# Altium PCB F4AIR.PcbDoc
Units mil, origin at the board's own origin, x right, y up, seen from the top; angles counter-clockwise.
Board outline 1941 x 2119 mil, 4 copper layers (Top Layer, Singal, Power, Bottom Layer), stack 23.756 mil thick; 69 components, 70 nets, 265 pads, 195 vias.
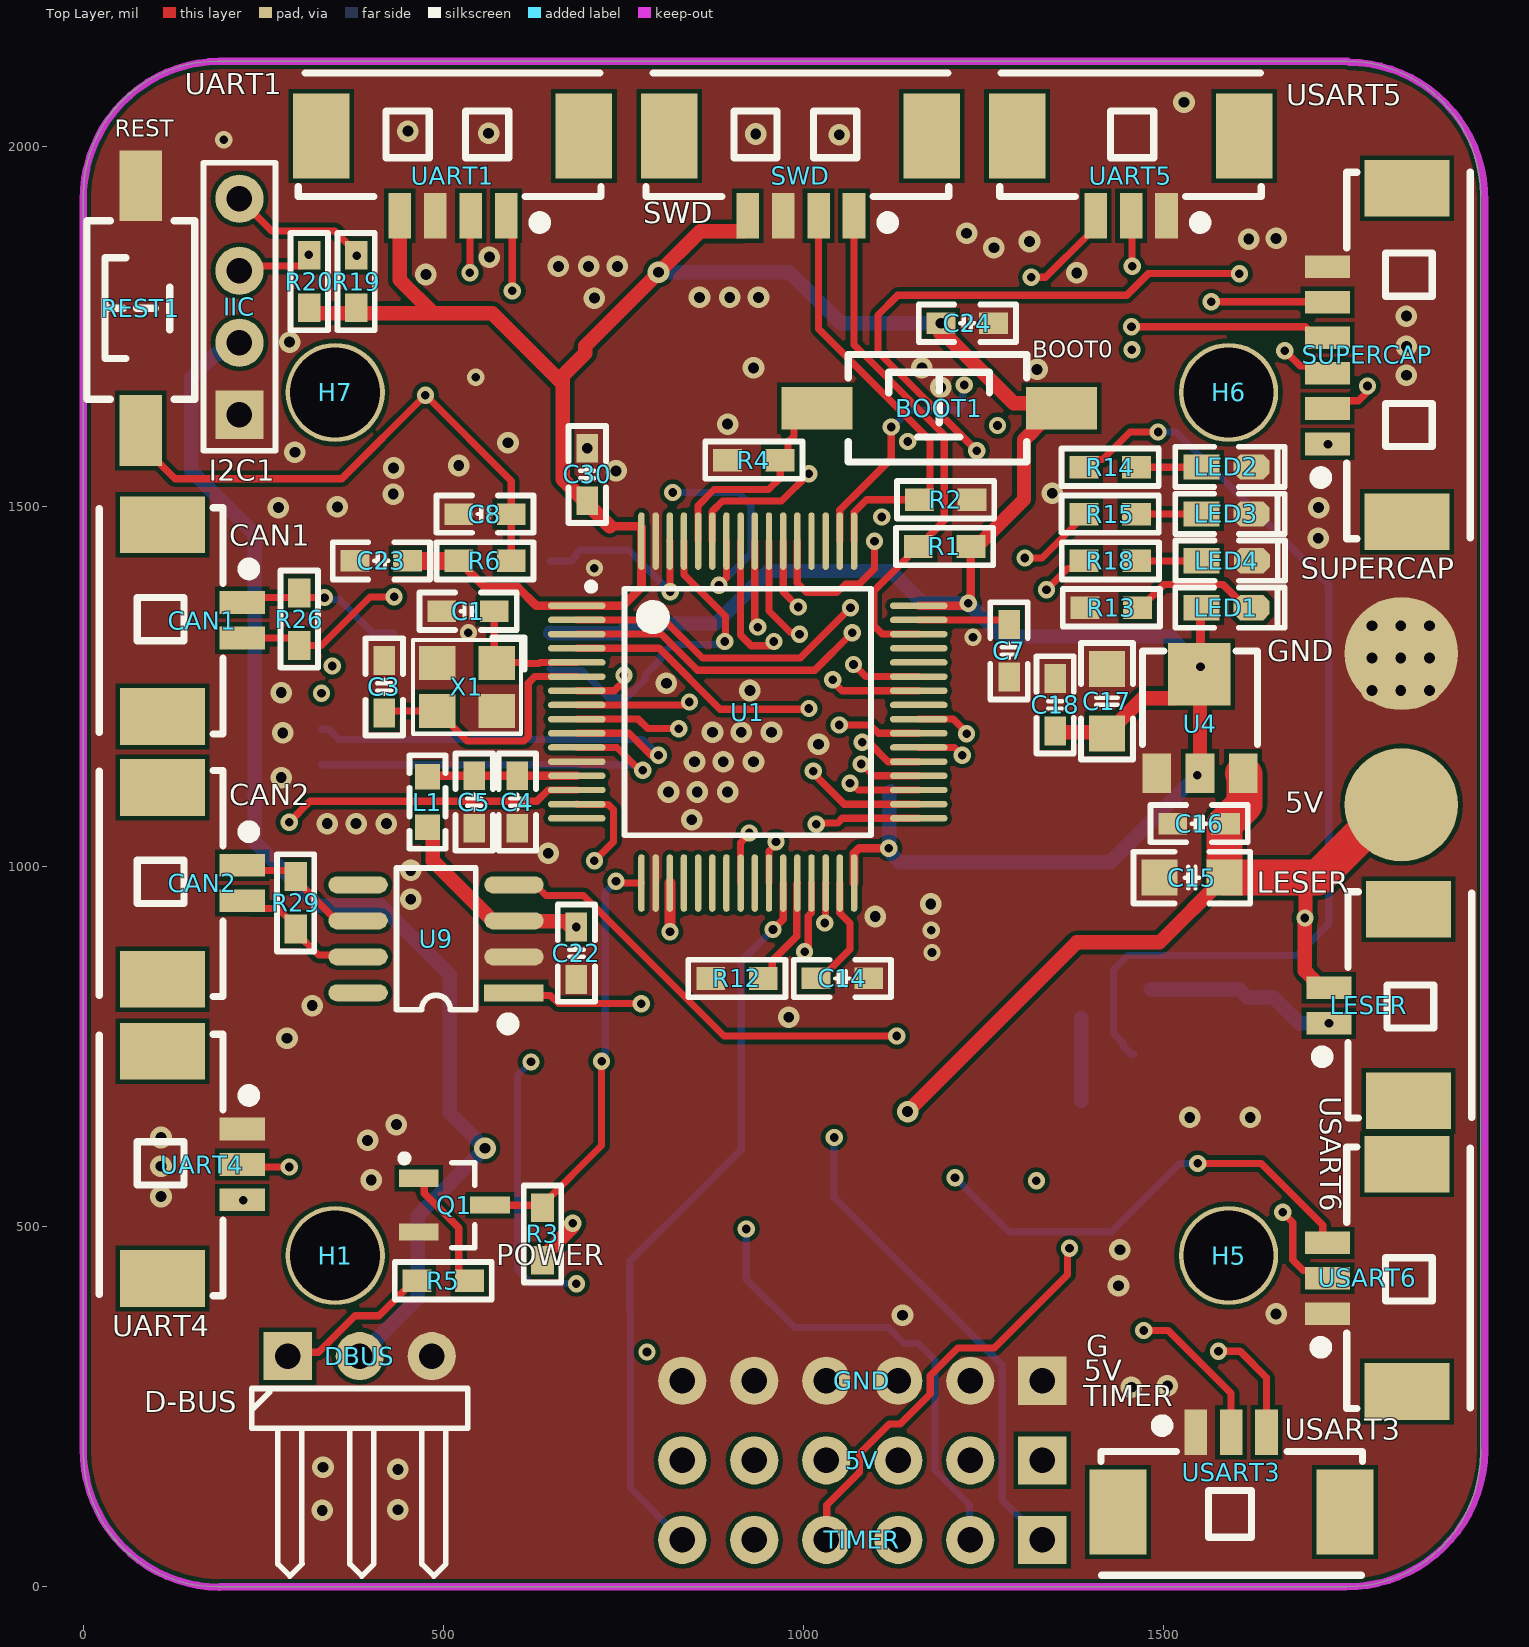
[diagram p0: Top Layer view]
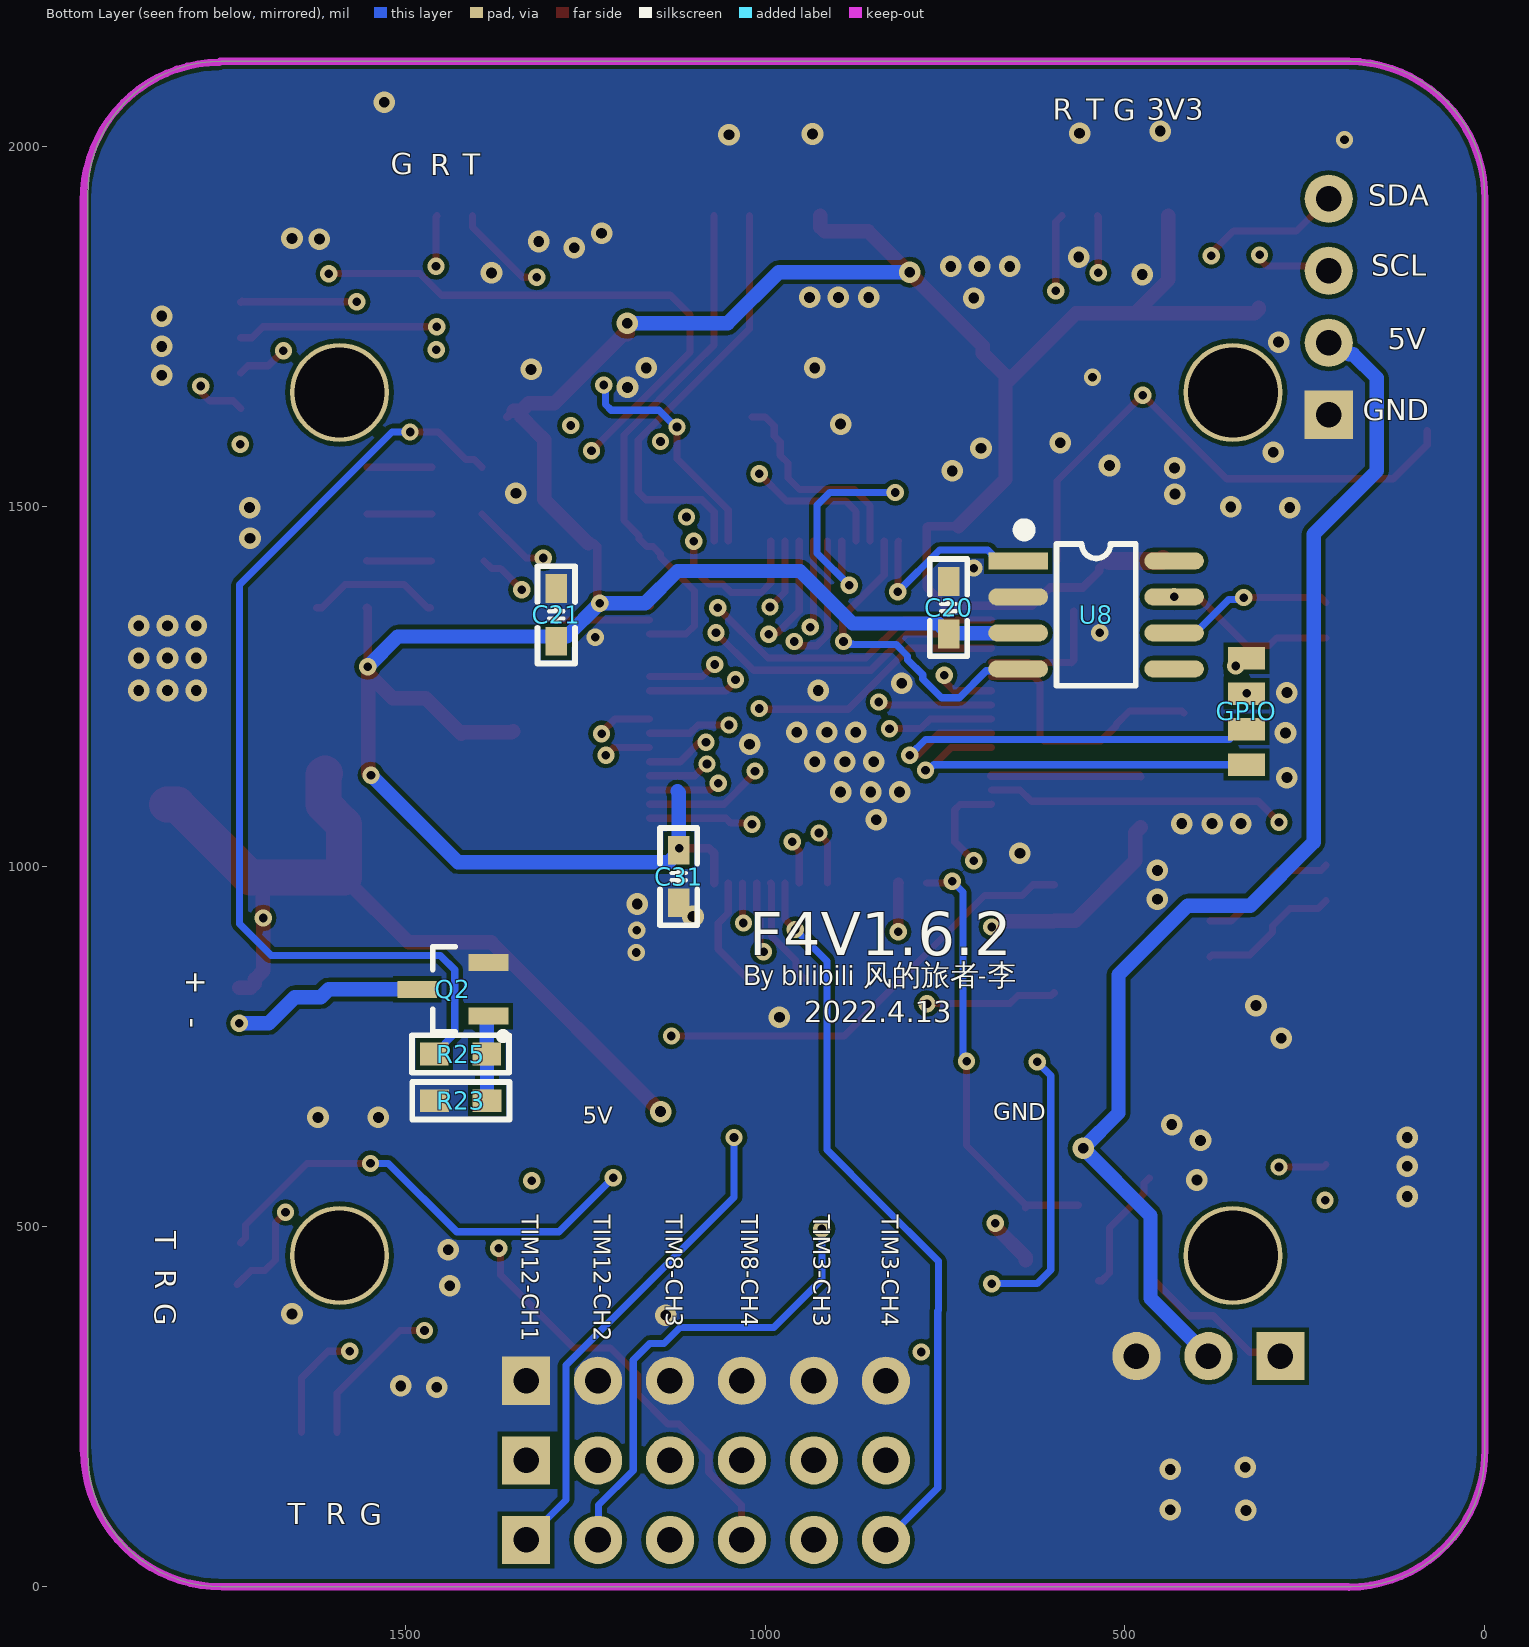
[diagram p1: Bottom Layer view, seen from below]
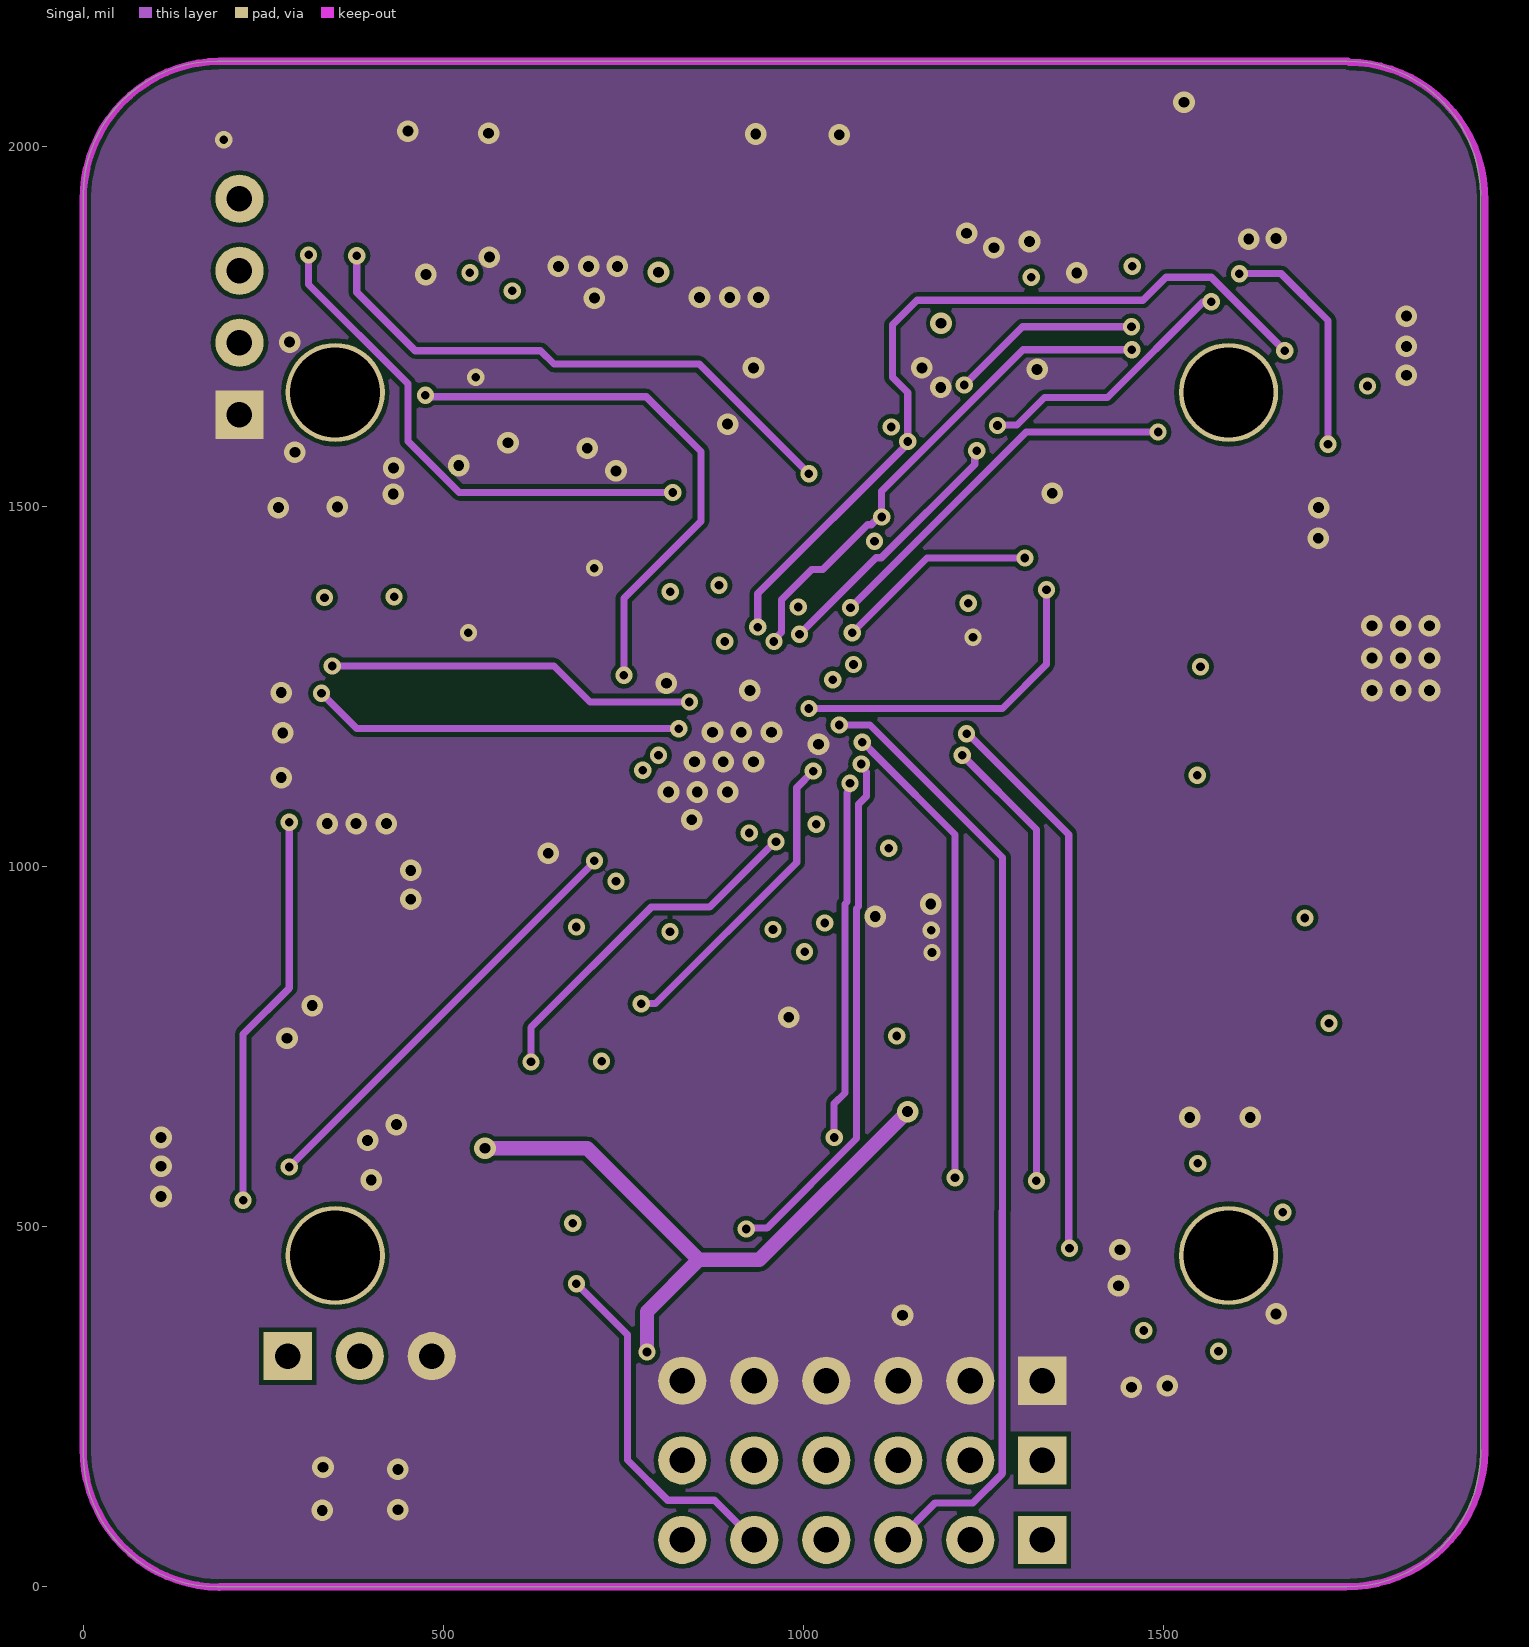
[diagram p2: Singal]
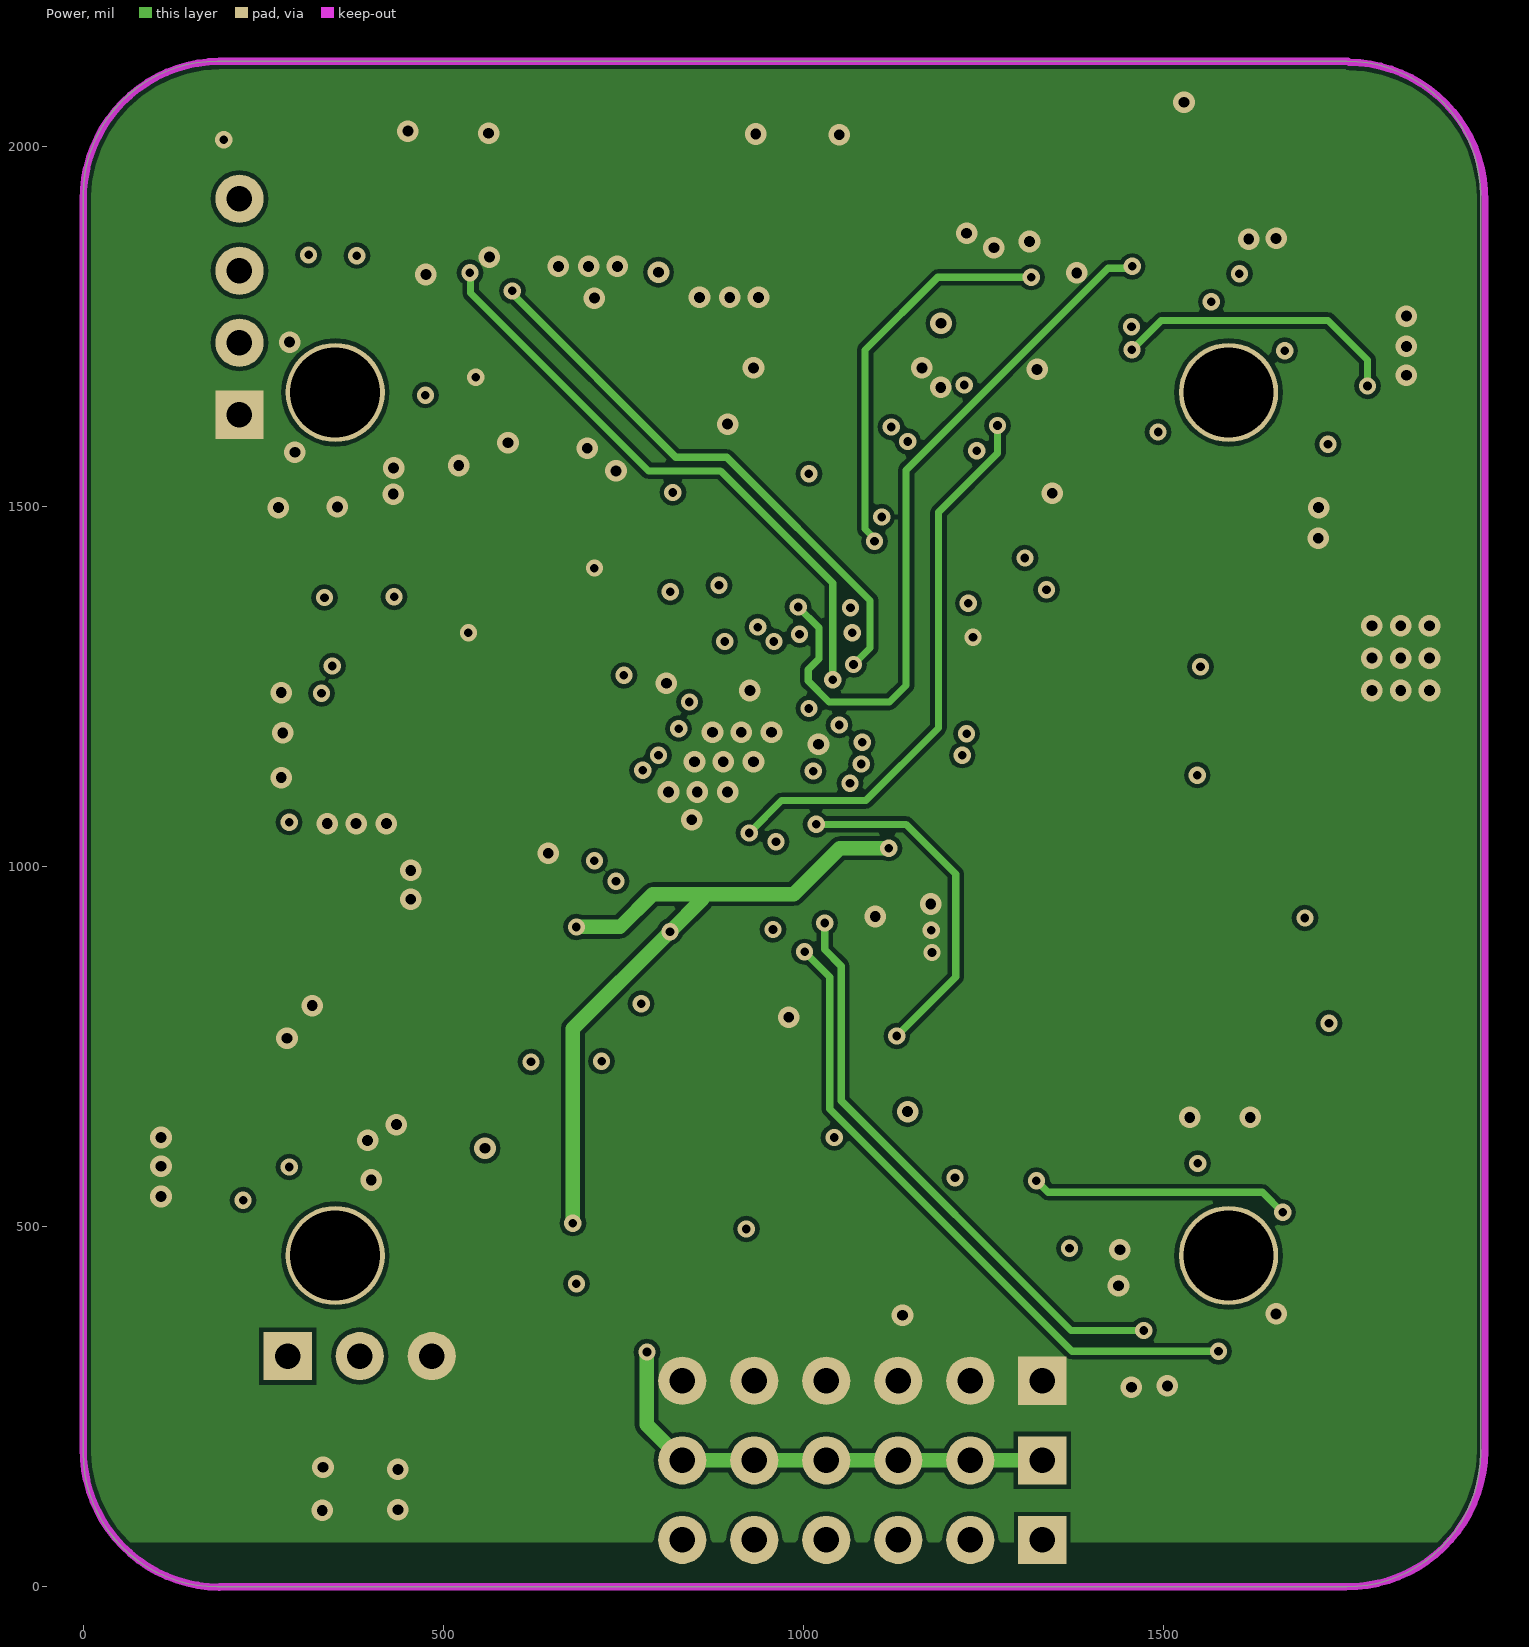
[diagram p3: Power]

## Layer stack, top to bottom
Top Solder: solder mask 0.4, Solder Resist, Dk 3.5
Top Layer: signal copper 1.4
Dielectric 2: prepreg 2.8, PP-006, Dk 4.1
Singal: signal copper 1.378
Dielectric 1: dielectric 12.6, FR-4, Dk 4.8
Power: signal copper 1.378
Dielectric 3: prepreg 2.8, PP-006, Dk 4.1
Bottom Layer: signal copper 1.4
Bottom Solder: solder mask 0.4, Solder Resist, Dk 3.5

## Board outline
0,186 0,1933 cw(c186,1933) 186,2119 1755,2119 cw(c1755,1933) 1941,1933 1941,186 cw(c1755,186) 1755,0 186,0 cw(c186,186)

## Design rules (kind name [scope] priority, off if disabled: settings)
Clearance [All] p1: gap=6 ignorepadtopadclearanceinfootprint=TRUE
PlaneConnect [All] p1: planeconnectstyle=Relief reliefexpansion=20 reliefentries=4 reliefconductorwidth=30 reliefairgap=10
PolygonConnect PolygonConnect_GND [InNet('GND') vs InNet('GND')] p1: connectstyle=Direct reliefconductorwidth=25 reliefentries=4 polygonreliefangle="90 Angle" airgapwidth=10
PolygonConnect [All] p2: connectstyle=Direct reliefconductorwidth=10 reliefentries=4 polygonreliefangle="90 Angle" airgapwidth=10
RoutingVias [All] p1: holewidth=12 width=24 viastyle="Through Hole" minholewidth=10 minwidth=20 maxholewidth=28 maxwidth=50
SolderMaskExpansion SolderMaskExpansion_VIA [IsVia] p1: expansion=4 istentingtop=TRUE
SolderMaskExpansion [All] p2: expansion=4 istentingtop=FALSE
Width Width_POWER [InNet('3.3V') OR InNet('5V') OR InNet('BAT')] p1: maxlimit=100 minlimit=10 preferedwidth=20 toplayer_prefwidth=12 bottomlayer_prefwidth=12 minimp=50.000000 maximp=50.000000 favimp=50.000000
Width [All] p2: maxlimit=50 minlimit=10 preferedwidth=10 minimp=50.000000 maximp=50.000000 favimp=50.000000
29 further rules are at their usual default settings.

## Classes and differential pairs
net class NewClass: CAN2_H CAN2_L

## Components (designator, comment, footprint, x,y, rotation, side; value= is the part's Value field where it differs from the comment)
5V "HDR-1X6" HDR2.54-LI-6P 1082,175.5 r180 top
BOOT1 "3x6x5" "TSW SMD-3*6*5" 1189,1637 r0 top
C1 "12pF" "C 0603_M" 534.5,1355 r0 top
C3 "12pF" "C 0603_M" 418,1250 r270 top
C4 "4.7uF" "C 0603_M" 603,1090 r270 top
C5 "0.1uF" "C 0603_M" 543,1090 r270 top
C7 "0.1uF" "C 0603_M" 1286,1300 r270 top
C8 "0.1uF" "C 0603_M" 558,1490 r0 top
C14 "2.2uF" "C 0603_M" 1054.5,845 r180 top
C15 "10uF" "C 0805_M" 1540,985 r0 top
C16 "0.1uF" "C 0603_M" 1550,1060 r180 top
C17 "10uF" "C 0805_M" 1422,1230 r270 top
C18 "0.1uF" "C 0603_M" 1350,1225 r90 top
C20 "0.1uF" "C 0603_M" 745,1360 r90 bottom
C21 "0.1uF" "C 0603_M" 1290,1350 r90 bottom
C22 "0.1uF" "C 0603_M" 685,880 r270 top
C23 "0.1uF" "C 0603_M" 414,1425 r180 top
C24 "0.1uF" "C 0603_M" 1228,1755 r0 top
C30 "0.1uF" "C 0603_M" 700,1545 r270 top
C31 "0.1uF" "C 0603_M" 1120,986.5 r90 bottom
CAN1 "PAD-2P" "MX 1.25-WS-2P" 110,1342 r270 top
CAN2 "PAD-2P" "MX 1.25-WS-2P" 110,977 r270 top
DBUS "PAD-3P" HDR2.54-WI-3P 384,320.33 r0 top
GND "HDR-1X6" HDR2.54-LI-6P 1082,286 r180 top
GPIO "PAD-4P" PAD-1.25-4P 336.26,1215.28 r270 bottom
H1 "M3固定孔" M3x4_N 350,460 r0 top
H5 "M3固定孔" M3x4_N 1591,460 r180 top
H6 "M3固定孔" M3x4_N 1591,1659 r180 top
H7 "M3固定孔" M3x4_N 350,1659 r0 top
IIC "HDR-1X4" HDR2.54-LI-4P 217,1778 r90 top
L1 "10uH" "L 0603" 478,1090 r90 top
LED1 "黄色" "LED 0603Y" 1588,1360 r0 top
LED2 "红色" "LED 0603R" 1588.01,1555.26 r0 top
LED3 "绿色" "LED 0603G" 1588.01,1490 r0 top
LED4 "蓝色" "LED 0603B" 1588.26,1425 r0 top
LESER "PAD-2P" "MX 1.25-WS-2P" 1841,808 r90 top
Q1 "SS8050" SOT23-3M 466.03,530 r270 top
Q2 "SS8050" SOT23-3M 1384.03,829.89 r90 bottom
R1 "10K/NC" "R 0603_M" 1196.5,1445 r180 top
R2 "10K/NC" "R 0603_M" 1198,1510 r180 top
R3 "4.7K" "R 0603_M" 638,490 r270 top
R4 "10K" "R 0603_M" 931.5,1565 r180 top
R5 "4.7K" "R 0603_M" 500,425 r0 top
R6 "10K" "R 0603_M" 558,1425 r180 top
R12 "10K" "R 0603_M" 908,845 r0 top
R13 "1.5K" "R 0603_M" 1428,1360 r180 top
R14 "1.5K" "R 0603_M" 1426.5,1555 r180 top
R15 "1.5K" "R 0603_M" 1426.5,1490 r180 top
R18 "1.5K" "R 0603_M" 1426.76,1425 r180 top
R19 "4.7K" "R 0603_M" 379,1813 r90 top
R20 "4.7K" "R 0603_M" 314,1813 r270 top
R23 "10K" "R 0603_M" 1422.5,675 r180 bottom
R25 "510R" "R 0603_M" 1423,740 r180 bottom
R26 "120R" "R 0603_M" 300,1344 r270 top
R29 "120R" "R 0603_M" 295,950 r270 top
REST1 "3x6x5" "TSW SMD-3*6*5" 80,1776 r90 top
SUPERCAP "HDR-1X8" "MX 1.25-WS-6P" 1839,1711 r90 top
SWD "HDR-1X4" "MX 1.25-WS-4P" 996.3,2015 r180 top
TIMER "HDR-1X6" HDR2.54-LI-6P 1082,65 r180 top
U1 "STM32F405RGT6" LQFP64 923,1215 r0 top
U4 "AMS1117-3V3" SOT-89 1553.07,1130.47 r0 top
U8 "VP232" SOP8_M 540,1350 r180 bottom
U9 "VP232" SOP8_M 490,900 r180 top
UART1 "HDR-1X4" "MX 1.25-WS-4P" 513,2015 r180 top
UART4 "HDR-1X3" "MX 1.25-WS-3P" 110,586 r270 top
UART5 "HDR-1X3" "MX 1.25-WS-3P" 1455,2015 r180 top
USART3 "HDR-1X3" "MX 1.25-WS-3P" 1595,103.78 r0 top
USART6 "HDR-1X3" "MX 1.25-WS-3P" 1839,429 r90 top
X1 "8MHz" "OSC 3225-4P" 533,1250 r180 top
